# KiCad board UCB_board.kicad_pcb
title: ResistorDEcade_board; date: 2026-02-21; rev: 0.3
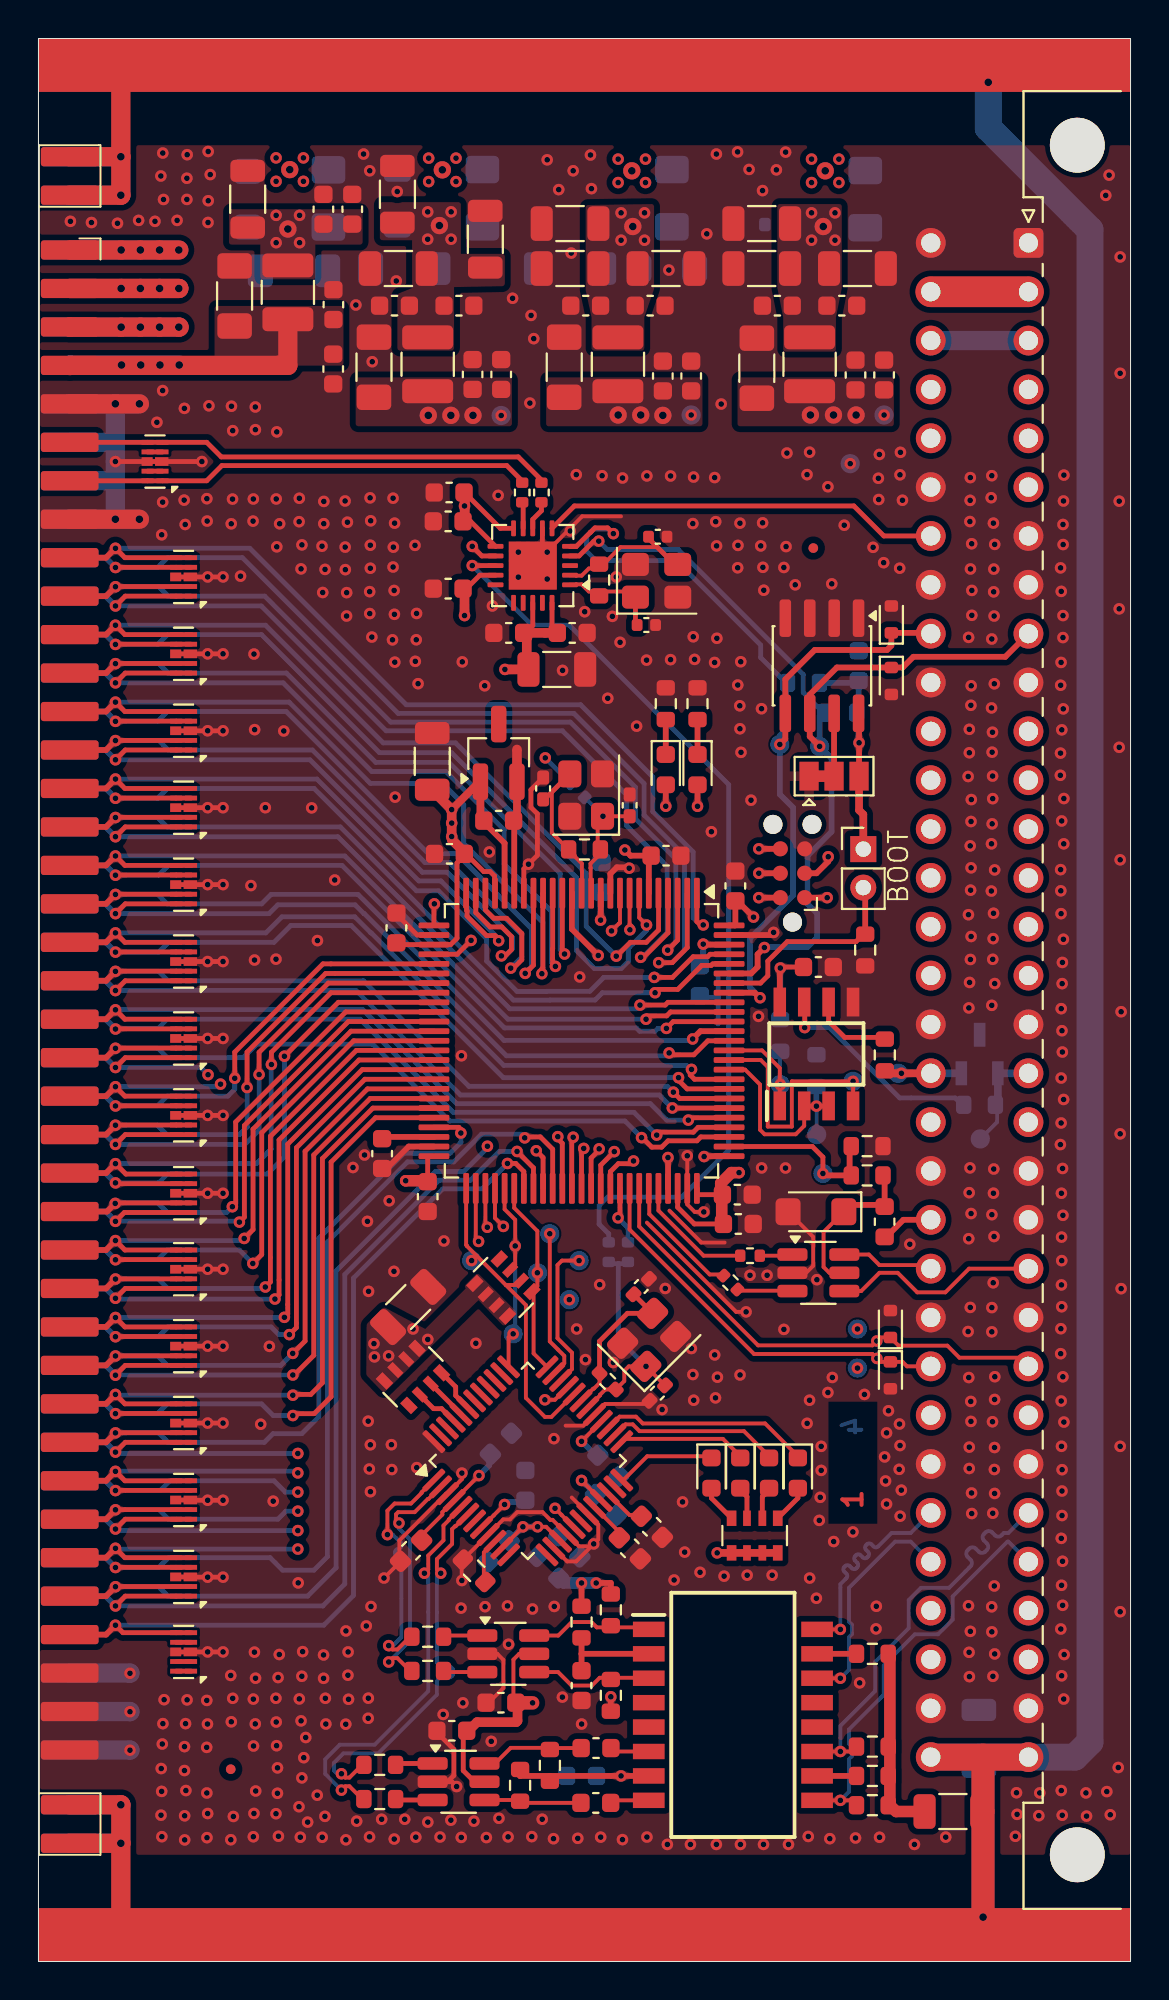
[diagram p0: board, top side]
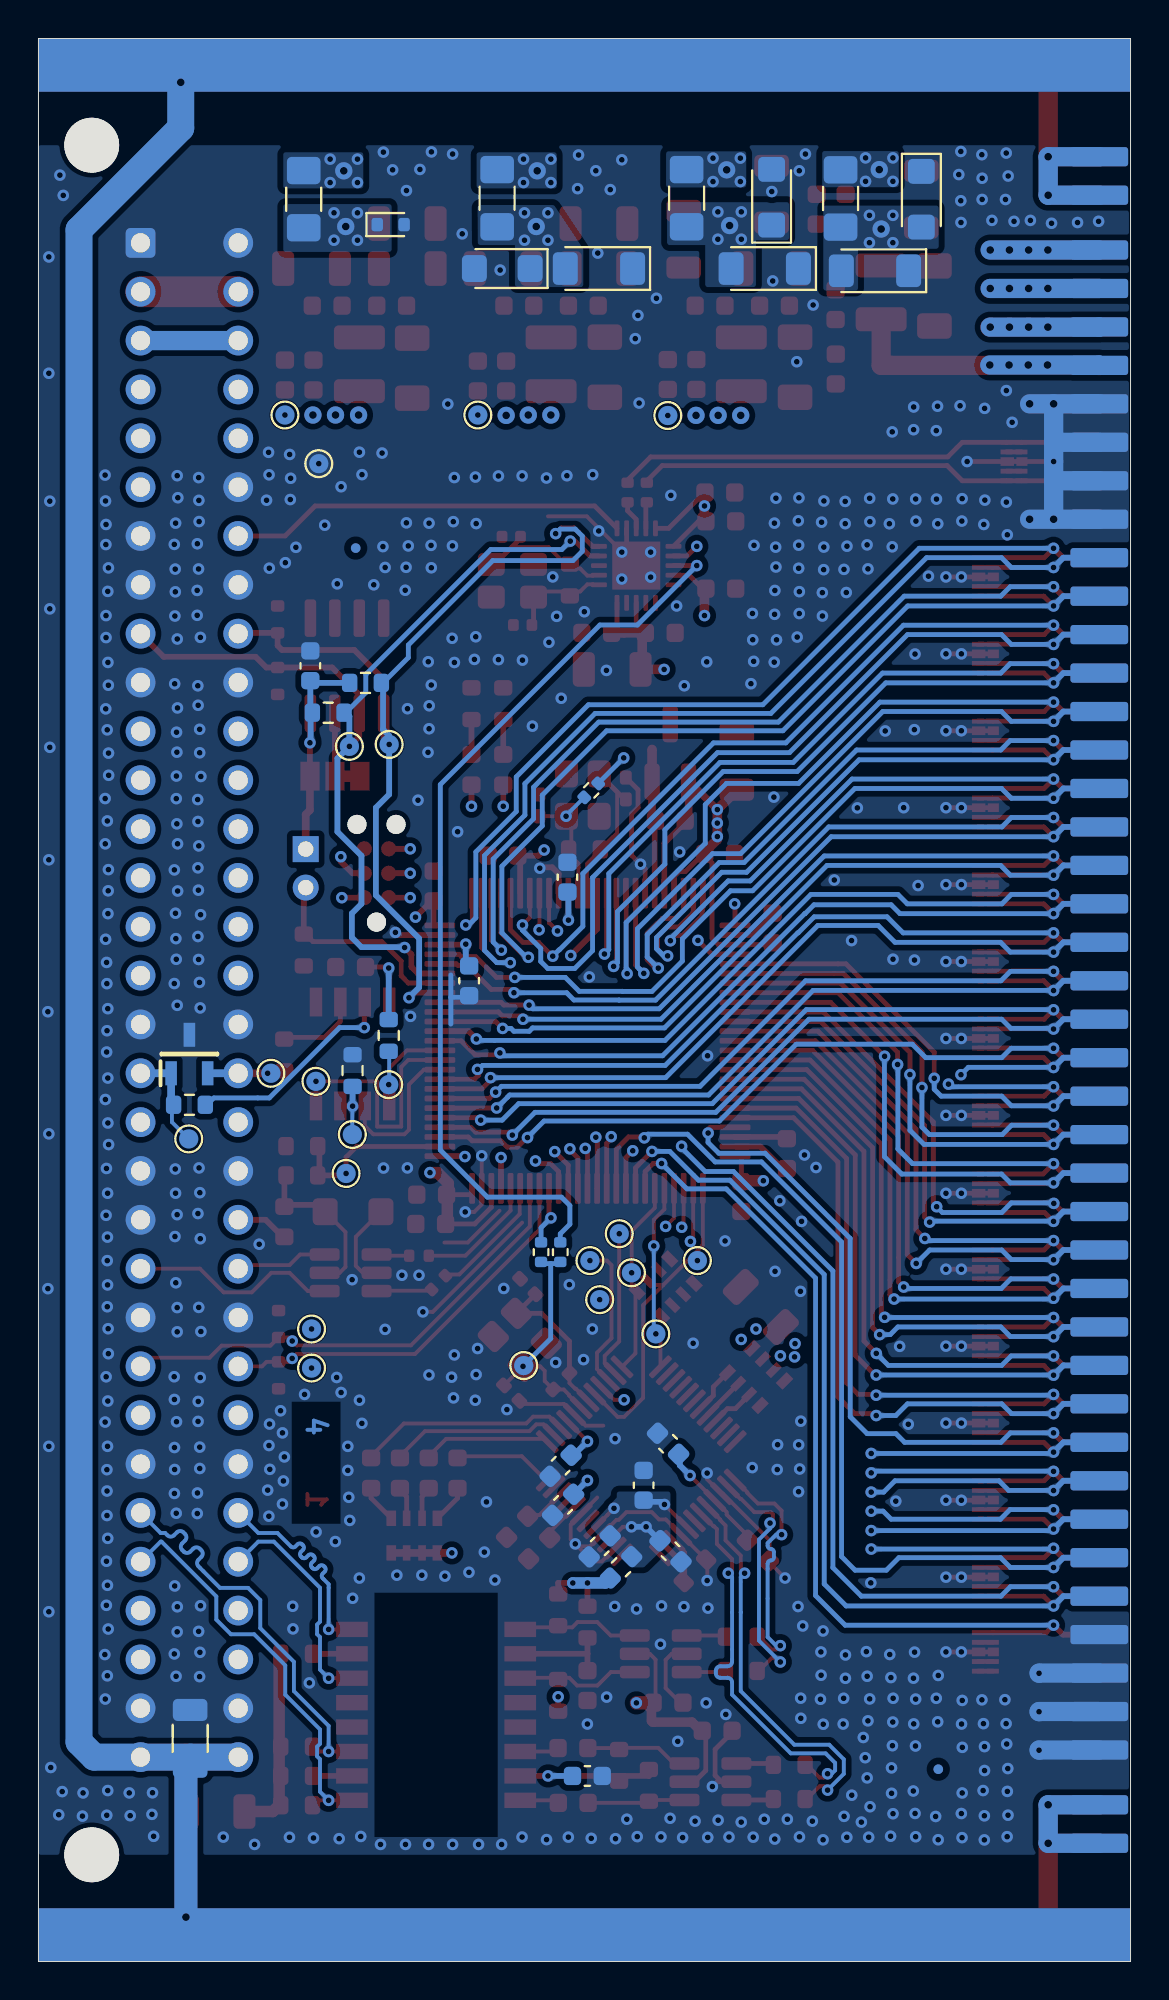
[diagram p1: board, bottom side, seen from below]

Outline 56.8 x 100 mm; copper layers: Top, In1.Cu, In2.Cu, Bottom. Coordinates in mm from the lower left corner of the outline.
Outline path: rectangle 0,100 56.8,0
Stack: Top 0.035mm / dielectric 0.2104mm 7628 er 4.4 / In1.Cu 0.0152mm / dielectric 1.065mm Core er 4.6 / In2.Cu 0.0152mm / dielectric 0.2104mm 7628 er 4.4 / Bottom 0.035mm

## Placement (name value [footprint] x y rotation side)
C1  100n  [C_0603_1608Metric]  24.05 13.46 180 top
C2  100n  [C_0603_1608Metric]  21.5 12 180 top
C3  1nF/2kV  [C_1206_3216Metric]  48.91 11.61 90 bottom
C4  10n  [C_0603_1608Metric]  28.25 14.35 90 top
C5  1nF/2kV  [C_1206_3216Metric]  47.56 7.8 0 top
C6  18p  [C_0402_1005Metric_Pad0.74x0.62mm_HandSolder]  32.19 29.56 225 top  (not fitted)
C7  10n  [C_0603_1608Metric]  28.25 9.65 180 bottom
C8  18p  [C_0402_1005Metric_Pad0.74x0.62mm_HandSolder]  31.35 35.1 45 top  (not fitted)
C9  4.7u  [C_0603_1608Metric]  30.76 21.49 315 top
C10  10n  [C_0603_1608Metric]  31.9 22.61 135 top
C11  100n  [C_0603_1608Metric]  29.51 23.75 135 bottom
C12  100n  [C_0603_1608Metric]  19.38 21.36 45 top
C13  100n  [C_0603_1608Metric]  23.93 21.34 45 bottom
C14  100n  [C_0603_1608Metric]  25.32 24.77 270 bottom
C15  100n  [C_0603_1608Metric]  29.64 25.78 135 bottom
C16  100n  [C_0603_1608Metric]  24.05 26.92 225 bottom
C17  100n  [C_0603_1608Metric]  27.61 21.59 135 bottom
C18  10u  [C_1206_3216Metric]  19.23 34.04 45 top
C19  18p  [C_0402_1005Metric_Pad0.74x0.62mm_HandSolder]  30.75 60.12 90 top
C20  18p  [C_0402_1005Metric_Pad0.74x0.62mm_HandSolder]  26.25 61 90 top
C21  10u  [C_1206_3216Metric]  32.64 88.04 0 top
C22  10u  [C_1206_3216Metric]  37.62 88.04 180 top
C23  100n  [C_0603_1608Metric]  22.58 82.53 90 top
C24  100n  [C_0603_1608Metric]  24.07 82.53 90 top
C25  10u  [C_1206_3216Metric_Pad1.33x1.80mm_HandSolder]  17.45 82.91 90 top  (not fitted)
C26  100n  [C_0603_1608Metric]  21.87 86.11 0 top
C27  10n  [C_0603_1608Metric]  21.38 57.6 0 top
C28  100n  [C_0603_1608Metric]  28.46 86.11 180 top
C29  100n  [C_0603_1608Metric]  18.62 53.75 270 top
C30  10u  [C_1206_3216Metric]  27.65 90.37 180 top
C31  10u  [C_1206_3216Metric]  27.65 88.04 180 top
C32  100n  [C_0603_1608Metric]  31.81 86.11 0 top
C33  100n  [C_0603_1608Metric]  18.52 86.11 180 top
C34  10u  [C_1206_3216Metric]  23.24 89.56 90 top
C35  100n  [C_0603_1608Metric]  20.24 39.78 90 top
C36  10u  [C_1206_3216Metric]  18.72 88.04 180 top
C37  100n  [C_0603_1608Metric]  33.95 82.45 90 top
C38  100n  [C_0603_1608Metric]  32.47 82.45 90 top
C39  100n  [C_0603_1608Metric]  42.66 67.38 90 bottom
C40  10u  [C_1206_3216Metric_Pad1.33x1.80mm_HandSolder]  27.34 82.91 90 top  (not fitted)
C41  100n  [C_0603_1608Metric]  42.49 82.5 90 top
C42  100n  [C_0603_1608Metric]  43.98 82.5 90 top
C43  10u  [C_1206_3216Metric]  18.67 91.9 90 top
C44  10u  [C_1206_3216Metric_Pad1.33x1.80mm_HandSolder]  37.36 82.85 90 top  (not fitted)
C45  100n  [C_0603_1608Metric]  38.43 86.11 180 top
C46  100n  [C_0603_1608Metric]  41.78 86.11 0 top
C47  10u  [C_1206_3216Metric]  37.62 90.37 180 top
C48  10u  [C_1206_3216Metric]  42.6 88.04 0 top
C49  100n  [C_0603_1608Metric]  32.64 57.51 180 top
C50  100n  [C_0603_1608Metric]  36.25 55.93 270 top
C51  10u  [C_1206_3216Metric]  20.48 62.41 90 top
C52  100n  [C_0603_1608Metric]  40.56 51.71 0 top
C53  100n  [C_0603_1608Metric]  29.29 56.39 270 bottom
C54  100n  [C_0603_1608Metric]  36.4 38.35 180 top
C55  100n  [C_0603_1608Metric]  36.35 39.88 180 top
C56  4.7u  [C_0603_1608Metric]  34.4 51 90 bottom
C57  4.7u  [C_0603_1608Metric]  17.88 42.01 90 top
C58  100n  [C_0603_1608Metric]  23.94 59.33 180 top
C59  18p  [C_0402_1005Metric]  31.62 69.5 0 top  (not fitted)
C60  18p  [C_0402_1005Metric]  32.21 74.09 0 top  (not fitted)
C61  100n  [C_0603_1608Metric]  27.76 69.09 180 top  (not fitted)
C62  10u  [C_1206_3216Metric]  26.96 67.19 0 top  (not fitted)
C63  100n  [C_0603_1608Metric]  21.31 74.89 0 top  (not fitted)
C64  100n  [C_0603_1608Metric]  24.46 69.09 0 top  (not fitted)
C65  100n  [C_0603_1608Metric]  21.31 71.39 0 top  (not fitted)
C66  100n  [C_0603_1608Metric]  21.36 76.39 0 top  (not fitted)
C67  10u  [C_1206_3216Metric]  10.88 91.64 90 top
C68  100n  [C_0603_1608Metric]  14.82 91.12 90 top
C69  100n  [C_0603_1608Metric]  16.32 91.12 90 top
C70  100n  [C_0603_1608Metric]  15.34 86.16 90 top
C71  100n  [C_0603_1608Metric]  15.33 82.81 270 top
C72  10u  [C_1206_3216Metric_Pad1.33x1.80mm_HandSolder]  10.2 86.61 90 top  (not fitted)
C73  6.8n  [C_0603_1608Metric]  29 11.1 180 top
C74  6.8n  [C_0603_1608Metric]  28.99 8.25 180 top
D1  FYLS-1206PGC  [LED_0603_1608Metric]  35 25.4 270 top
D2  FYLS-1206PGC  [LED_0603_1608Metric]  36.5 25.4 270 top
D3  ESD5Z3.3T1G  [D_SOD-523]  44.31 30.48 270 top
D4  FYLS-1206PGC  [LED_0603_1608Metric]  38 25.4 270 top
D5  ESD5Z3.3T1G  [D_SOD-523]  44.31 33.15 90 top
D6  FYLS-1206PGC  [LED_0603_1608Metric]  39.5 25.4 270 top
D7  SMF5.0CA  [D_SMF]  40.44 38.99 180 top
D8  TGL34-15CA  [D_MiniMELF]  19.02 88.04 0 bottom
D9  BZD27C12P-E3-08  [D_SMF]  18.67 91.74 90 bottom
D10  ESD5Z3.3T1G  [D_SOD-523]  38.48 90.32 180 bottom
D11  TGL34-6.8CA  [D_MiniMELF]  27.65 88.04 0 bottom
D12  SMF5.0CA  [D_SMF]  32.68 88.04 0 bottom
D13  FYLS-1206PGC  [LED_0603_1608Metric]  32.63 61.98 270 top
D14  FYLS-1206PGC  [LED_0603_1608Metric]  34.28 61.98 270 top
D15  CDSOT23-SM712  [SOT95P230X117-3N]  48.95 47.19 90 bottom
D16  ESD5Z3.3T1G  [D_SOD-523]  44.36 69.79 90 top
D17  ESD5Z3.3T1G  [D_SOD-523]  44.36 66.59 270 top
D18  TGL34-15CA  [D_MiniMELF]  13.29 87.92 0 bottom
D19  BZD27C12P-E3-08  [D_SMF]  10.88 91.64 270 bottom
D20  UT8413A  [Diodes_UDFN-10_1.0x2.5mm_P0.5mm]  7.55 72 180 top
D21  UT8413A  [Diodes_UDFN-10_1.0x2.5mm_P0.5mm]  7.55 68 180 top
D22  UT8413A  [Diodes_UDFN-10_1.0x2.5mm_P0.5mm]  7.55 64 180 top
D23  UT8413A  [Diodes_UDFN-10_1.0x2.5mm_P0.5mm]  7.55 60 180 top
D24  UT8413A  [Diodes_UDFN-10_1.0x2.5mm_P0.5mm]  7.55 56 180 top
D25  UT8413A  [Diodes_UDFN-10_1.0x2.5mm_P0.5mm]  7.55 52 180 top
D26  UT8413A  [Diodes_UDFN-10_1.0x2.5mm_P0.5mm]  7.55 48 180 top
D27  UT8413A  [Diodes_UDFN-10_1.0x2.5mm_P0.5mm]  7.55 44 180 top
D28  UT8413A  [Diodes_UDFN-10_1.0x2.5mm_P0.5mm]  7.55 39.95 180 top
D29  UT8413A  [Diodes_UDFN-10_1.0x2.5mm_P0.5mm]  7.55 36 180 top
D30  UT8413A  [Diodes_UDFN-10_1.0x2.5mm_P0.5mm]  7.55 32 180 top
D31  UT8413A  [Diodes_UDFN-10_1.0x2.5mm_P0.5mm]  7.55 28 180 top
D32  UT8413A  [Diodes_UDFN-10_1.0x2.5mm_P0.5mm]  7.55 24 180 top
D33  UT8413A  [Diodes_UDFN-10_1.0x2.5mm_P0.5mm]  7.55 20 180 top
D34  UT8413A  [Diodes_UDFN-10_1.0x2.5mm_P0.5mm]  7.55 16.1 180 top
D35  UT8413A  [Diodes_UDFN-10_1.0x2.5mm_P0.5mm]  6.06 78 180 top
F1  Polyfuse  [Fuse_1206_3216Metric_Pad1.42x1.75mm_HandSolder]  32.94 91.69 90 bottom
F2  Polyfuse  [Fuse_1206_3216Metric_Pad1.42x1.75mm_HandSolder]  43 91.64 90 bottom
F3  Polyfuse  [Fuse_1206_3216Metric_Pad1.42x1.75mm_HandSolder]  23.09 91.69 90 bottom
F4  Polyfuse  [Fuse_1206_3216Metric_Pad1.42x1.75mm_HandSolder]  15.08 91.68 90 bottom
FB1  100 @ 100MHz  [L_0603_1608Metric]  26.5 20.5 315 bottom
FB2  100 @ 100MHz  [L_0603_1608Metric]  44.01 38.47 270 top
FID1  Fiducial  [Fiducial_0.5mm_Mask1mm]  10 10 0 top
FID2  Fiducial  [Fiducial_0.5mm_Mask1mm]  40.3 73.5 0 top
FID3  Fiducial  [Fiducial_0.5mm_Mask1mm]  10 10 0 bottom
FID4  Fiducial  [Fiducial_0.5mm_Mask1mm]  40.3 73.5 0 bottom
IC1  SN65HVD75DR  [SOIC127P600X175-8N]  40.46 47.19 90 top
J1  DIN41612_02x32_AC  [DIN41612_C_2x32_Male_Horizontal_THT]  51.49 89.37 270 top
J2  TC2030  [Tag-Connect_TC2030-IDC-NL_2x03_P1.27mm_Vertical]  39.22 56.59 90 top
J3  Conn_01x02_Pin  [PinHeader_1x02_P2.00mm_Vertical]  42.9 57.85 0 top
JP1  SolderJumper_3_Bridged12  [SolderJumper-3_P1.3mm_Bridged12_Pad1.0x1.5mm]  41.38 61.64 0 top
L1  LQH32PN101MN0L  [L_1210_3225Metric]  20.24 83.06 90 top
L2  LQH32PN101MN0L  [L_1210_3225Metric]  30.14 83.06 90 top
L3  LQH32PN101MN0L  [L_1210_3225Metric]  40.11 83.06 90 top
L4  LQH32PN101MN0L  [L_1210_3225Metric]  12.97 86.8 90 top
NT1  NetTie_2  [NetTie-2_SMD_Pad0.5mm]  24.89 62.53 270 top
R1  22  [R_0402_1005Metric]  37.01 36.7 0 top
R2  22  [R_0402_1005Metric]  35.99 35.31 315 top
R3  10k  [R_0603_1608Metric]  43.1 40.88 0 top
R4  15k  [R_0603_1608Metric]  43.1 42.4 180 top
R5  10  [R_0603_1608Metric]  28.25 17.65 270 top
R6  75  [R_0603_1608Metric]  43.37 9.65 0 top
R7  75  [R_0603_1608Metric]  43.37 16 0 top
R8  82  [R_0603_1608Metric]  26.6 10.2 270 top
R9  82  [R_0603_1608Metric]  25.05 9.16 90 top
R10  49.9  [R_0603_1608Metric]  29.77 18.29 270 top
R11  49.9  [R_0603_1608Metric]  29.77 13.84 90 top
R12  150  [R_0603_1608Metric]  43.37 11.18 0 top
R13  150  [R_0603_1608Metric]  43.37 8.13 0 top
R14  33  [R_0603_1608Metric]  20.24 16.89 0 top
R15  33  [R_0603_1608Metric]  20.24 15.11 0 top
R16  33  [R_0603_1608Metric]  17.75 8.45 0 top
R17  33  [R_0603_1608Metric]  17.75 10.23 0 top
R18  1M  [R_0402_1005Metric_Pad0.72x0.64mm_HandSolder]  29.61 30.17 135 top  (not fitted)
R19  12.4k  [R_0603_1608Metric]  22.66 20.32 135 top
R20  1M  [R_0603_1608Metric]  28.4 57.83 180 top
R21  10k  [R_0603_1608Metric]  43 52.6 90 top
R22  1M  [R_0603_1608Metric]  29.16 71.84 90 top  (not fitted)
R23  0R  [R_0402_1005Metric]  29.66 36.89 90 bottom  (not fitted)
R24  0R  [R_0402_1005Metric]  28.05 60.9 135 bottom  (not fitted)
R25  0R  [R_0402_1005Metric]  25.16 76.39 270 top  (not fitted)
R26  0R  [R_0402_1005Metric]  26.16 76.39 270 top  (not fitted)
R80  0R  [R_0402_1005Metric]  30.66 36.89 270 bottom
R84  10k  [R_0603_1608Metric]  39.79 66.49 0 bottom
R85  10k  [R_0603_1608Metric]  41.73 64.94 0 bottom
R86  120  [R_0603_1608Metric]  32.63 65.41 90 top
R87  120  [R_0603_1608Metric]  34.28 65.41 90 top
R88  10  [R_0603_1608Metric]  48.95 44.55 0 bottom
R89  10  [R_0603_1608Metric]  44.02 47.14 270 top
R90  10k  [R_0603_1608Metric]  40.46 46.33 270 bottom
R91  10k  [R_0603_1608Metric]  38.58 48.16 90 bottom
REF**  -  [LayerMarker_4_6.35x2.54mm_TextH1mm_P1.27mm_LowerMirrored]  43.63 24.03 90 top
RN1  4x470R  [R_Array_Convex_4x0603]  37.25 22.15 270 top
RN2  4x10k  [R_Array_Convex_4x0603]  19.48 30.4 135 top
RN3  4x10k  [R_Array_Convex_4x0603]  24.18 35.05 45 top
T1  H1102NL  [SOIC127P940X597-16N]  36.12 12.83 0 top
TP1  TestPoint  [TestPoint_Pad_D1.0mm]  40.8 40.98 0 bottom
TP2  TestPoint  [TestPoint_Pad_D1.0mm]  40.48 43.01 0 bottom
TP3  TestPoint  [TestPoint_Pad_D1.0mm]  42.37 45.77 0 bottom
TP4  TestPoint  [TestPoint_Pad_D1.0mm]  38.58 45.6 0 bottom
TP5  TestPoint  [TestPoint_Pad_D1.0mm]  42.6 30.86 0 bottom
TP6  TestPoint  [TestPoint_Pad_D1.0mm]  42.6 32.89 0 bottom
TP7  TestPoint  [TestPoint_Pad_D1.0mm]  38.56 63.29 0 bottom
TP8  TestPoint  [TestPoint_Pad_D1.0mm]  40.63 63.19 0 bottom
TP9  TestPoint  [TestPoint_Pad_D1.0mm]  33.95 80.42 0 bottom
TP10  TestPoint  [TestPoint_Pad_D1.0mm]  24.07 80.39 0 bottom
TP12  TestPoint  [TestPoint_Pad_D1.0mm]  31.56 30.99 0 bottom
TP13  TestPoint  [TestPoint_Pad_D1.0mm]  22.53 36.45 0 bottom
TP14  TestPoint  [TestPoint_Pad_D1.0mm]  25.96 35.81 0 bottom
TP15  TestPoint  [TestPoint_Pad_D1.0mm]  28.12 36.45 0 bottom
TP16  TestPoint  [TestPoint_Pad_D1.0mm]  26.59 37.85 0 bottom
TP17  TestPoint  [TestPoint_Pad_D1.0mm]  24.69 32.64 0 bottom
TP18  TestPoint  [TestPoint_Pad_D1.0mm]  27.61 34.42 0 bottom
TP19  TestPoint  [TestPoint_Pad_D1.0mm]  48.98 42.78 0 bottom
TP20  TestPoint  [TestPoint_Pad_D1.0mm]  44.71 46.19 0 bottom
TP21  TestPoint  [TestPoint_Pad_D1.0mm]  43.98 80.42 0 bottom
TP22  TestPoint  [TestPoint_Pad_D1.0mm]  42.22 77.89 0 bottom
U1  W5500  [LQFP-48_7x7mm_P0.5mm]  25.45 26.04 45 top
U2  LM4040DBZ-3  [SOT-23_Handsoldering]  23.94 62.85 90 top
U3  USBLC6-2SC6  [SOT-23-6_Handsoldering]  40.56 35.81 0 top
U4  USBLC6-2SC6  [SOT-23-6_Handsoldering]  24.44 16 0 top
U5  USBLC6-2SC6  [SOT-23-6_Handsoldering]  21.85 9.35 0 top
U6  FM24C64B  [SOIC-8_3.9x4.9mm_P1.27mm]  40.75 67.38 270 top
U7  STM32H563VITx  [LQFP-100_14x14mm_P0.5mm]  28.25 47.88 270 top
X1  ~  [UniConnector]  0.12 50 0 top
Y1  3225-25M-SR  [Crystal_SMD_3225-4Pin_3.2x2.5mm]  28.49 60.66 90 top
Y2  3225-25M-SR  [Crystal_SMD_3225-4Pin_3.2x2.5mm]  31.76 32.33 45 top  (not fitted)
Y3  Si5351C-B-GM  [QFN-20-1EP_4x4mm_P0.5mm_EP2.5x2.5mm]  25.71 72.59 180 top  (not fitted)
Y4  3225-25M-SR  [Crystal_SMD_3225-4Pin_3.2x2.5mm]  32.15 71.8 0 top  (not fitted)

## Library data of the parts
C1 C2 C11-C17 C23 C24 C26 C28 C29 C32 C33 C35 C37-C39 C41 C42 C45 C46 C49 C50 C52-C55 C58 C61 C63-C66 C68-C71 = -: Description: Unpolarized capacitor; KiLib_Generator: SMD_2terminal_chip_molded; Manufacturer_Part_Number: GRM188R71H104KA93D; ki_fp_filters: C_*
C3 C5 = -: Description: 1206B102K202; KiLib_Generator: SMD_2terminal_chip_molded; Manufacturer_Part_Number: 1206B102K202; ki_fp_filters: C_*
C4 C7 C10 C27 = -: Description: Unpolarized capacitor; KiLib_Generator: SMD_2terminal_chip_molded; Manufacturer_Part_Number: GRM1885C1H103JA01J; ki_fp_filters: C_*
C6 C8 C19 C20 C59 C60 C73 C74 = -: Description: Unpolarized capacitor; KiLib_Generator: SMD_2terminal_chip_molded; ki_fp_filters: C_*
C9 = -: Description: Unpolarized capacitor; KiLib_Generator: SMD_2terminal_chip_molded; Manufacturer_Part_Number: 0603X475K100CT; ki_fp_filters: C_*
C18 C21 C22 C30 C31 C34 C36 C43 C47 C48 C51 C62 C67 = -: Description: CL31B106KBHNNNE; KiLib_Generator: SMD_2terminal_chip_molded; Manufacturer_Part_Number: CL31B106KBHNNNE; ki_fp_filters: C_*
C25 C40 C44 C72 = -: Description: CL31B106KBHNNNE; KiLib_Generator: SMD_2terminal_chip_molded; ki_fp_filters: C_*
C56 C57 = -: Description: 0603X475K100CT; KiLib_Generator: SMD_2terminal_chip_molded; Manufacturer_Part_Number: 0603X475K100CT; ki_fp_filters: C_*
D1 D2 D4 D6 D13 D14 = -: Description: Light emitting diode; KiLib_Generator: SMD_2terminal_chip_molded; Sim.Pins: 1=K 2=A; ki_fp_filters: LED* LED_SMD:* LED_THT:*
D3 D5 D10 D16 D17 = -: Datasheet: https://www.onsemi.com/pdf/datasheet/esd5z2.5t1-d.pdf; Description: ESD Protection Diode, SOD-523; ki_fp_filters: D?SOD?523*
D7 D9 D12 D19 = -: ki_fp_filters: D*SMF*
D8 D11 D18 = -: ki_fp_filters: TO-???* *_Diode_* *SingleDiode* D_*
D15 = -: Description: TVS Diode Dual Bi-Dir 7/12V 30KV SOT23 Bourns CDSOT23-SM712 Dual Bi-Directional TVS Diode, 400W peak, 3-Pin SOT-23; Height: 1.17; Manufacturer_Name: Bourns
D20-D35 = -: Datasheet: https://www.tme.eu/Document/2ddf4c2e70778c4b0b01bb008847dce1/UT8413A.pdf; Description: TRANSIENT VOLTAGE SUPPRESSOR (TVS) ARRAY; ki_fp_filters: DFN2510
F1-F4 = -: Description: Resettable fuse, polymeric positive temperature coefficient; KiLib_Generator: SN020-30; Manufacturer_Part_Number: SN020-30; ki_fp_filters: *polyfuse* *PTC*
FB1 FB2 = -: Description: WLBD1608HCU101TL; KiLib_Generator: SMD_2terminal_chip_molded; Manufacturer_Part_Number: WLBD1608HCU101TL; ki_fp_filters: Inductor_* L_* *Ferrite*
FID1-FID4 = -: Description: Fiducial Marker; KiLib_Generator: fiducial; ki_fp_filters: Fiducial*
IC1 = -: Datasheet: http://www.ti.com/lit/gpn/sn65hvd75; Description: 3.3-V half-duplex RS-485 transceiver with IEC ESD, 20 Mbps; Height: 1.75; Manufacturer_Name: Texas Instruments
J1 = -: Description: DIN41612 connector, double row (AC), 02x32, script generated (kicad-library-utils/schlib/autogen/connector/); KiLib_Generator: connector/IEC_DIN; ki_fp_filters: DIN41612*2x*
J2 = -: Datasheet: https://www.tag-connect.com/wp-content/uploads/bsk-pdf-manager/2019/12/TC2030-IDC-NL-Datasheet-Rev-B.pdf; Description: Tag-Connect’s 6-pins connector; ki_fp_filters: *TC2030*
J3 = -: Description: Generic connector, single row, 01x02, script generated; KiLib_Generator: connector/pin_header_socket; ki_fp_filters: Connector*:*_1x??_*
JP1 = -: Description: 3-pole Solder Jumper, pins 1+2 closed/bridged; ki_fp_filters: SolderJumper*Bridged12*
L1-L4 = -: Description: Inductor; ki_fp_filters: Choke_* *Coil* Inductor_* L_*
NT1 = -: Description: Net tie, 2 pins; ki_fp_filters: Net*Tie*
R1 R2 = -: Description: 0402WGJ0220TCE; KiLib_Generator: SMD_2terminal_chip_molded; Manufacturer_Part_Number: 0402WGJ0220TCE; ki_fp_filters: R_*
R3 R21 R84 R85 R90 R91 = -: Description: CRCW060310K0FKTABC; KiLib_Generator: SMD_2terminal_chip_molded; Manufacturer_Part_Number: CRCW060310K0FKTABC; ki_fp_filters: R_*
R4 = -: Description: RC0603FR-0715KL; KiLib_Generator: SMD_2terminal_chip_molded; Manufacturer_Part_Number: RC0603FR-0715KL; ki_fp_filters: R_*
R5 R18 = -: Description: Resistor; KiLib_Generator: SMD_2terminal_chip_molded; ki_fp_filters: R_*
R6 R7 = -: Description: Resistor; KiLib_Generator: SMD_2terminal_chip_molded; Manufacturer_Part_Number: 0603SAJ0750T5E; ki_fp_filters: R_*
R8 R9 = -: Description: Resistor; KiLib_Generator: SMD_2terminal_chip_molded; Manufacturer_Part_Number: RC0603JR-0782RL; ki_fp_filters: R_*
R10 R11 = -: Description: Resistor; KiLib_Generator: SMD_2terminal_chip_molded; Manufacturer_Part_Number: CRCW060349R9FKTABC; ki_fp_filters: R_*
R12 R13 = -: Description: Resistor; KiLib_Generator: SMD_2terminal_chip_molded; Manufacturer_Part_Number: 1-2176339-5; ki_fp_filters: R_*
R14-R17 = -: Description: Resistor; KiLib_Generator: SMD_2terminal_chip_molded; Manufacturer_Part_Number: WF06P330JTL; ki_fp_filters: R_*
R19 = -: Description: Resistor; KiLib_Generator: SMD_2terminal_chip_molded; Manufacturer_Part_Number: ERA3AEB1242V; ki_fp_filters: R_*
R20 R22 = -: Description: Resistor; KiLib_Generator: SMD_2terminal_chip_molded; Manufacturer_Part_Number: 0603SAF1004T5E; ki_fp_filters: R_*
R23-R26 R80 = -: Description: Resistor; KiLib_Generator: SMD_2terminal_chip_molded; Manufacturer_Part_Number: CRCW04020000Z0TDBC; ki_fp_filters: R_*
R86 R87 = -: Description: Resistor; KiLib_Generator: SMD_2terminal_chip_molded; Manufacturer_Part_Number: 0603SAF1200T5E; ki_fp_filters: R_*
R88 R89 = -: Description: Pulse-Proof Thick-Film Resistor; KiLib_Generator: SMD_2terminal_chip_molded; ki_fp_filters: R_*
REF** = -: KiLib_Generator: layer_maker
RN1 = -: Description: 4D03WGJ0471T5E; Manufacturer_Part_Number: 4D03WGJ0471T5E; ki_fp_filters: DIP* SOIC* R*Array*Concave* R*Array*Convex* MSOP*
RN2 RN3 = -: Description: 4D03WGJ0103T5E; Manufacturer_Part_Number: 4D03WGJ0103T5E; ki_fp_filters: DIP* SOIC* R*Array*Concave* R*Array*Convex* MSOP*
T1 = -: Datasheet: https://productfinder.pulseeng.com/products/datasheets/h1102nl.pdf; Description: PULSE ELECTRONICS - H1102NL - TRANSFORMER, 1:1, 1PORT, 100BASE-TX, SMT; Height: 5.97; Manufacturer_Name: YAGEO
TP1-TP10 TP12-TP22 = -: Description: test point; ki_fp_filters: Pin* Test*
U1 = -: Datasheet: http://wizwiki.net/wiki/lib/exe/fetch.php/products:w5500:w5500_ds_v109e.pdf; Description: 10/100Mb SPI Ethernet controller with TCP/IP stack, LQFP-48; KiLib_Generator: package/gullwing; ki_fp_filters: LQFP*7x7mm*P0.5mm*
U2 = -: Datasheet: http://www.ti.com/lit/ds/symlink/lm4040-n.pdf; Description: 3.000V Precision Micropower Shunt Voltage Reference, SOT-23; ki_fp_filters: SOT?23*
U3-U5 = -: Datasheet: https://www.st.com/resource/en/datasheet/usblc6-2.pdf; Description: Very low capacitance ESD protection diode, 2 data-line, SOT-23-6; ki_fp_filters: SOT?23*
U6 = -: Datasheet: http://www.cypress.com/file/41651/download; Description: 64Kb serial FRAM nonvolatile Memory, SOIC-8; KiLib_Generator: package/gullwing; ki_fp_filters: SOIC*3.9x4.9mm*P1.27mm*
U7 = -: Datasheet: https://www.st.com/resource/en/datasheet/stm32h563vi.pdf; Description: STMicroelectronics Arm Cortex-M33 MCU, 2048KB flash, 640KB RAM, 250 MHz, 1.62-3.6V, 80 GPIO, LQFP100; KiLib_Generator: package/gullwing; Manufacturer_Part_Number: STM32H563VIT6; ki_fp_filters: LQFP*14x14mm*P0.5mm*
Y1 Y2 Y4 = -: Description: Four pin crystal, GND on pins 2 and 4; KiLib_Generator: crystal_resonator_oscillator; ki_fp_filters: Crystal*
Y3 = -: Datasheet: https://www.silabs.com/documents/public/data-sheets/Si5351-B.pdf; Description: I2C Programmable Any-Frequency CMOS Clock Generator, QFN-20; KiLib_Generator: package/no_lead; ki_fp_filters: QFN*1EP*4x4mm*P0.5mm*
